# Altium PCB BusinessCard.PcbDoc (continued)
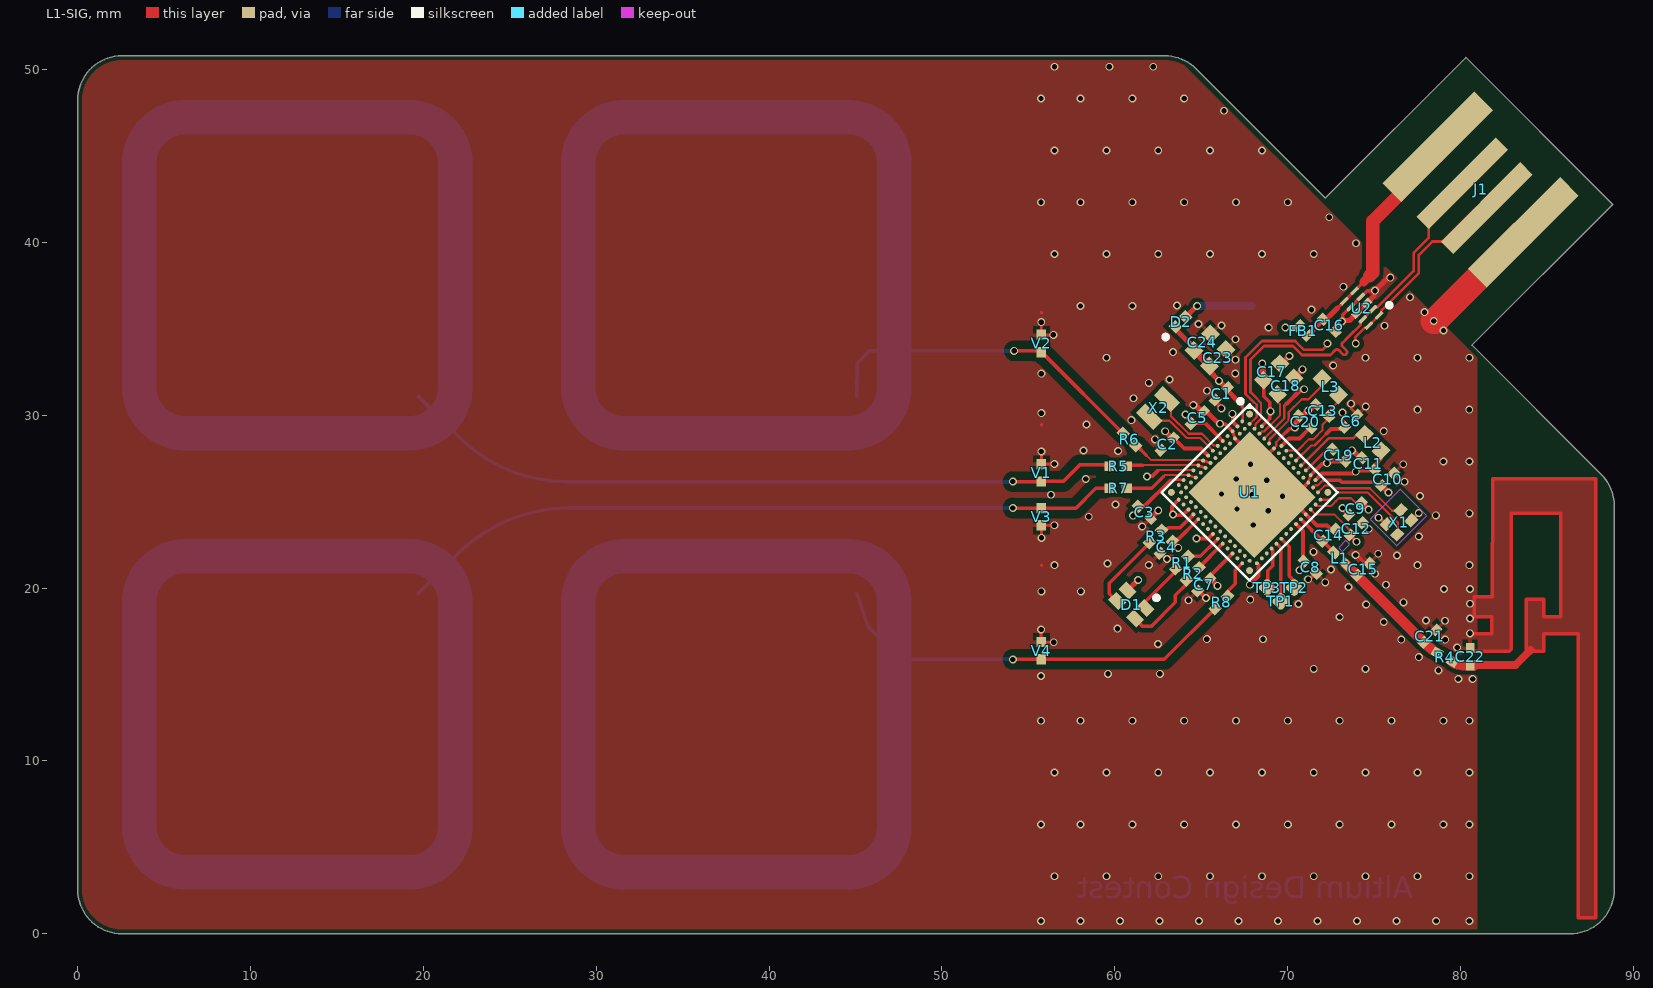
[diagram p0: L1-SIG view]
## Part data
A1 A2 A3 A4 TP1 TP2 TP3: library part TESTPAD, "1.0mm circular SMD testpad", Manufacturer="Nordic Semiconductor", Part Number=TP_SMD_Ø1.0MM, Part number IPS=N.A., Artikkelnr Noca=N.A., ComponentLink1Description=Datasheet, ComponentLink2Description="Supplier link", Footprint Doc=TP_SMD_Ø1.0mm, LatestRevisionDate=2013-06-11, Pin Count=1, Published=2013-06-11, Publisher="Nordic Semiconductor"
BT1: "SMT Holder for 2012 Cell-Tin Nickel Plate", Package="NON STANDARD-2 Keystone", Check_prices=https://www.snapeda.com/parts/3028/Keystone/view-part/?ref=eda, MF="Keystone Electronics", MP=3028, SnapEDA_Link=https://www.snapeda.com/parts/3028/Keystone/view-part/?ref=snap
C1 C2 C3 C4 C5 C6 C7 C8 C9 C10 C11 C12 C13 C14 C15 C16 C19 C20 C21 C22: library part CAP_0402, "Capacitor, X5R, ±5%", Part Number=C0402-1µ0, Footprint Doc=0402, LatestRevisionDate=2016-08-22, Pin Count=2, Published=2009-05-08, Publisher="Nordic Semiconductor"
C17 C18 C23 C24: library part CAP_0603, "Capacitor, X7R, ±10%", Part Number=C0603-4µ7-6.3V-X7R, Footprint Doc=0603, LatestRevisionDate=2015-06-10, Pin Count=2, Published=2015-06-10, Publisher="Nordic Semiconductor"
D1: library part CMP-2000-05201-2, "LED RGB DIFFUSED CHIP SMD", Case Code (Imperial)=0606, Case Code (Metric)=1616, Color=Blue, Forward Current=20mA, Forward Voltage=3.35V, Lens Color=White, Max Operating Temperature=80°C, Min Operating Temperature=-20°C, Package Quantity=3000, Reverse Voltage=5V, Case/Package=0606, Depth=1.6mm, Dominant Wavelength=470nm, Height=0.35mm, Lead Free="Lead Free", Length=1.6mm, Lens Style=Diffused, Lens Transparency=Diffused, Luminous Intensity=180mcd, Mount="Surface Mount", Number of Elements=3, Number of LEDs=3, Number of Pins=4, Packaging="Tape and Reel", Radiation Hardening=No, Test Current=20mA, Viewing Angle=130°, Width=1.6mm
D2: library part CMP-00647-58683154-1, "CFSH05-20L TR PBFREE Rectifier Diode, Schottky, 1 Phase, 1 Element, 0.1A, 30V V(RRM)", NexarPartId=58683154, RoHS=Non-Compliant, Schedule B="8541100070, 8541100070"
FB1: library part CMP-0686-00133-3, "Chip Ferrite Bead, 0402, 120Ω @ 100MHz, 0.055Ω, 25%, 2A", Case Code (Imperial)=0402, Case Code (Metric)=1005, Current Rating=2A, DC Resistance (DCR)=55mR, Max Operating Temperature=125°C, Min Operating Temperature=-55°C, Package Quantity=10000, Test Frequency=100MHz, Tolerance=25%, Case/Package=0402, Height=0.5mm, Impedance=120R, Lead Free="Lead Free", Length=1mm, Material=Steel, Max Current Rating=2A, Max DC Current=2A, Number of Circuits=1, Number of Lines=1, Number of Pins=2, Packaging="Tape and Reel", REACH SVHC="No SVHC", RoHS Compliant=Yes, Series="EMIFIL®, BLM15P", Termination=SMD/SMT, Weight=2.3E-05oz, Width=0.5mm
J1: library part USB-A-PCB, "USB-A PCB footprint", Manufacturer=N.A., Artikkelnr Noca=N.A., Author=rsk, Component Class=Connectors, ComponentLink1Description=Datasheet, ComponentLink1URL=N.A., ComponentLink2Description="Supplier link", ComponentLink2URL=N.A., Footprint Doc=USB-A-PCB, HelpURL=N.A., LatestRevisionDate=2014-06-04, Manufacturer Part Number=N.A., Note=N.A., Pad Count=4, Part Number=USB-A-PCB, Part number IPS=N.A., Part number Norautron=N.A., PartId=100500219, Published=2014-06-04, Supplier 1=N.A., Supplier 2=N.A., Supplier Part Number 1=N.A., Supplier Part Number 2=N.A.
L1: library part IND_0402, "High frequency chip inductor ±10%", Part Number=L0402-2n2, Footprint Doc=0402, LatestRevisionDate=2012-09-19, Pin Count=2, Published=2010-07-12, Publisher="Nordic Semiconductor"
L2 L3: library part IND_0603, "Chip inductor, IDC,min = 50 mA, ±20%", Part Number=L0603-10µ-TDK, Footprint Doc=0603, LatestRevisionDate=2012-09-19, Pin Count=2, Published=2019-05-06, Publisher="Nordic Semiconductor"
R1: library part RES, "Resistor, ±1%, 0.063W", Part Number=R0402-56, Part number IPS=00000002811, Supplier Part Number 1=173-8837, Artikkelnr Noca=27049049, ComponentLink1Description=Datasheet, ComponentLink2Description="Supplier link", Footprint Doc=0402, LatestRevisionDate=2009-11-23, Note="Chip Res 1%", Pin Count=2, Published=2009-05-08, Publisher="Nordic Semiconductor", Supplier 1=Farnell
R2 R3: library part RES, "Resistor, ±1%, 0.063W", Part Number=R0402-22, Part number IPS=00000002811, Supplier Part Number 1=173-8837, Artikkelnr Noca=27049049, ComponentLink1Description=Datasheet, ComponentLink2Description="Supplier link", Footprint Doc=0402, LatestRevisionDate=2009-11-23, Note="Chip Res 1%", Pin Count=2, Published=2009-05-08, Publisher="Nordic Semiconductor", Supplier 1=Farnell
R4: library part RES, "Resistor, ±1%, 0.063W", Part Number=R0402-100, Part number IPS=00000002811, Supplier Part Number 1=173-8837, Artikkelnr Noca=27049049, ComponentLink1Description=Datasheet, ComponentLink2Description="Supplier link", Footprint Doc=0402, LatestRevisionDate=2009-11-23, Note="Chip Res 1%", Pin Count=2, Published=2009-05-08, Publisher="Nordic Semiconductor", Supplier 1=Farnell
R5 R6 R7 R8: library part RES, "Resistor, ±1%, 0.063W", Part Number=R0402-470, Part number IPS=00000002811, Supplier Part Number 1=173-8837, Artikkelnr Noca=27049049, ComponentLink1Description=Datasheet, ComponentLink2Description="Supplier link", Footprint Doc=0402, LatestRevisionDate=2009-11-23, Note="Chip Res 1%", Pin Count=2, Published=2009-05-08, Publisher="Nordic Semiconductor", Supplier 1=Farnell
U1: "Multi-protocol Bluetooth Low Energy, IEEE 802.15.4, ANT and 2.4GHz proprietary system-on-chip", Component Class=nRF_Devices, Footprint Doc=AQFN-98, Pad Count=98
U2: library part CMP-04985-000004-1, "TVS DIODE 5.5V 14V 10USON", Ambient Temperature Range High=+125°C, Ambient Temperature Range Low=-40°C, Breakdown Voltage=6.4V, Capacitance=0.5pF, Clamping Voltage=14V, Manufacturer="Texas Instruments", Manufacturer Part Number=TPD4E05U06QDQARQ1, Operating Supply Voltage=5.5V, Package=DQA0010A, Peak Pulse Current=2.5A, Peak Pulse Power=2.5W, Temperature="-40°C to +125°C", Automotive=Yes, Automotive Grade="Grade 1", Category=IC, ComponentLink2Description=Datasheet, ComponentLink2URL=http://www.ti.com/lit/ds/symlink/tpd4e05u06-q1.pdf, Device Class L1="Circuit Protection", Device Class L2="ESD and Circuit Protection ICs", Device Class L3=unset, Digikey Description="TVS DIODE 5.5V 14V 10USON", Direction=Unidirectional, Height=0.55mm, Interface=USB,Ethernet,LVDS,Other, Lead Free=Yes, Mouser Description="Automotive 4-Channel ESD Protection Solution for SuperSpeed (up to 5 Gbps) Interface 10-USON -40 to 125", Number Of Channels=4, Octopart=https://octopart.com/tpd4e05u06qdqarq1-texas+instruments-48523459, Reverse Standoff Voltage=5.5V, RoHS=TRUE, Standoff Height=0mm, Temperature Range High=+125°C, Temperature Range Low=-40°C
V1 V2 V3 V4: library part D:SUPP, "TVS DIODE 15VWM 0402", Manufacturer=Murata, Part number IPS=N.A., Supplier Part Number 1=490-13209-6-ND, Artikkelnr Noca=N.A., ComponentLink1Description=Datasheet, ComponentLink2Description="Supplier link", Footprint Doc=0402, HelpURL=http://www.murata.com/en-us/products/productdata/8796832759838/CRESD-E.pdf, LatestRevisionDate=2017-09-20, Manufacturer Part Number=LXES15AAA1-133, Part Number=LXES15AAA1-133, Pin Count=2, Published=2017-09-20, Publisher="Nordic Semiconductor", Supplier 1=Digi-Key, Supplier 2=Mouser, Supplier Part Number 2=81-LXES15AAA1-133
X1: library part XTAL_SMD1612, "XTAL SMD 1612, 32MHz, Cl=8pF, Total Tol: ±40ppm", Part Number=XTAL_SMD1612_32MHz_8pF_General, Footprint Doc=XTAL_1612, LatestRevisionDate=2016-08-19, Pin Count=4, Published=2016-08-19, Publisher="Nordic Semiconductor"
X2: library part XTAL_SMD2012_32.768kHz_9pF_Seiko, "XTAL SMD 2012, 32.768kHz, 9pF, ±20ppm", Manufacturer="Seiko Instruments", Manufacturer Part Number=SC20S-9.0PF20PPM, Part number IPS=80000001425, Part number Norautron=N.A., Artikkelnr Noca=N.A., Author=rsk, Component Class=Oscillators, ComponentLink1Description=Datasheet, ComponentLink1URL=N.A., ComponentLink2Description="Supplier link", ComponentLink2URL=N.A., Footprint Doc=XTAL_2012, HelpURL=http://www.sii.co.jp/en/quartz/files/2013/03/file_PRODUCT_MASTER_50811_GRAPHIC03.pdf, LatestRevisionDate=2017-11-09, Note="XTAL SMD 32.768kHz", Pad Count=2, Part Number=XTAL_SMD2012_32.768kHz_9pF_Seiko, PartId=101600015, Published=2015-10-15, Supplier 1=N.A., Supplier 2=N.A., Supplier Part Number 1=N.A., Supplier Part Number 2=N.A.

## Free pads (board coordinates)
  round 0.013 smd: 1(83.205,15.557) 1(83.205,15.557)

## Via types
v1: diameter 0.457, hole 0.305, L1-SIG to L4-GND, tented both sides, 240 vias

## Nets (pads, with @x,y where several pads share a name; then routed paths per layer and width w, separated by ;. In a path a pad name is that pad's centre, name@x,y a point inside that pad or via, vN(x,y) a via of type N, cw(c..) or ccw(c..) an arc to the next point about the centre after c; other vN are vias at no path point)
+3V3: C1.2 C2.2 C3.2 C4.2 C5.2 C6.2 C7.2 C8.2 C9.2 C10.2 C23.2 C24.2 D1.4 D2.1 U1.A19 U1.AC1 U1.AG1 U1.AJ31 U1.AL3 U1.AL7 U1.AL11 U1.AL17 U1.AL25 U1.B8 U1.B28 U1.C1 U1.E31 U1.L1 U1.N31 U1.U1 | length 50.3
  L1-SIG w0.125: D1.4 D1.4@60.757,19.863 ; 62.486,26.768 62.55,26.831 64.392,26.831 ; 63.221,26.213 63.273,26.266 63.827,26.266 ; v1@63.321,24.309 v1(63.373,24.257) v1@63.415,24.215 ; C4.2@63.346,22.642 63.346,22.706 C4.2@63.554,22.706 ; C2.2@63.4,28.59 C2.2@63.501,28.59 ; D2.1@63.523,34.979 D2.1 ; 63.827,26.265 63.969,26.265 U1.AG1 ; 64.393,26.831 64.534,26.831 U1.AC1 ; C5.2 C5.2@64.45,29.53 ; C24.2 C24.2@64.582,33.919 ; C23.2@65.48,32.554 C23.2 ; C7.2@65.632,20.42 65.638,20.426 C7.2@65.649,20.426 ; v1@66.04,31.965 v1@66.068,31.965 ; C1.2@66.438,31.596 C1.2 ; U1.C1 67.398,29.662 67.398,29.732 67.406,29.74 67.406,30.453 67.379,30.48 ; U1.B8 69.813,29.814 69.813,30.554 69.867,30.608 ; U1.A19 71.363,28.252 71.561,28.252 72.205,28.897 ; C8.2@70.954,21.406 C8.2 ; U1.B28 71.508,25.824 71.632,25.949 71.765,25.949 72.045,26.229 72.097,26.229 ; U1.E31 71.649,24.834 71.729,24.754 72.476,24.754 72.528,24.754 72.601,24.827 72.79,25.018 cw(c73.177,24.634) 72.794,25.021 72.97,25.197 73.681,25.197 73.97,24.908 74.235,24.908 C9.2
  L1-SIG w0.15: C6.2@73.168,29.312 73.306,29.451 C6.2@73.321,29.465
  L1-SIG w0.2: 62.469,26.768 62.486,26.768 ; 67.151,30.806 67.379,30.578 67.379,30.48 ; 72.097,26.229 73.037,26.229 73.142,26.123
  L1-SIG w0.225: C3.2@61.343,24.712 C3.2@61.353,24.702 ; C3.2@61.353,24.548 C3.2@61.353,24.702 ; v1(61.865,26.456) 61.894,26.485 62.186,26.485 62.469,26.768 ; 63.221,26.213 63.195,26.213 61.729,24.747 61.644,24.747 61.594,24.696 61.359,24.696 C3.2@61.353,24.702 ; v1@63.321,24.309 63.321,24.736 U1.AL3 ; v1@63.415,24.215 63.932,24.215 U1.AL7 ; C2.2@63.501,28.59 64.024,28.067 64.995,28.067 U1.U1 ; C4.2@63.554,22.706 U1.AL11 ; C5.2@64.466,29.546 65.214,29.546 U1.L1 ; v1(64.73,22.869) 65.414,22.869 U1.AL17 ; C7.2 65.505,20.697 U1.AL25 ; v1(67.818,20.193) 68.318,20.693 68.318,21.35 U1.AJ31 ; 69.867,30.608 69.867,30.611 ; 69.895,30.639 69.944,30.688 ; U1.N31 70.896,23.297 70.896,21.82 70.954,21.763 C8.2 ; v1(70.693,21.036) v1@70.693,21.099 ; C8.2@70.954,21.406 70.961,21.398 C8.2@70.961,21.366 ; 72.264,28.956 72.524,29.216 73.114,29.216 C6.2 73.306,29.451 73.306,29.548 73.181,29.673 v1(73.181,30.151) ; 73.142,26.123 74.992,26.123 75.213,25.903 75.407,25.903 C10.2
  L1-SIG w0.25: 69.974,30.688 70.764,31.478 v1@70.932,31.478
  L1-SIG w0.3: D1.4@60.757,19.863 60.757,19.87 v1(61.357,20.469) v1(61.357,20.469) ; v1(61.055,24.194) 61.055,24.237 61.353,24.535 C3.2@61.353,24.548 ; v1(62.916,29.074) C2.2@63.4,28.59 ; C4.2@63.346,22.642 63.359,22.642 v1(63.67,22.33) ; D2.1@63.523,34.979 C24.2@64.582,33.919 ; v1(64.097,30.05) 64.097,30.008 64.466,29.639 C5.2@64.466,29.546 ; C23.2@65.48,32.554 v1(66.04,31.994) ; C7.2@65.649,20.426 v1(65.946,20.13) ; v1@66.068,31.965 C1.2@66.438,31.596 ; C1.2 66.512,31.587 66.512,31.446 67.151,30.806 ; v1@70.693,21.099 C8.2@70.961,21.366 ; v1@70.932,31.478 v1(70.962,31.508) ; C9.2@74.361,24.865 v1(74.688,24.537) ; C10.2 v1(75.844,25.531)
  L1-SIG w0.4: C24.2 C23.2
  L4-GND w0.15: v1@66.035,31.994 v1(66.04,31.994) ; v1(74.688,24.537) v1@74.77,24.537 ; v1@75.763,25.531 v1(75.844,25.531)
+5VUSB: C17.2 FB1.2 U1.A5 U1.E1 | length 10.7
  L1-SIG w0.15: v1(68.535,33.003) v1@68.593,32.945 ; C17.2@68.616,31.58 68.628,31.593 68.616,31.606 C17.2@68.616,32.03 ; FB1.2@70.513,35.075 FB1.2
  L1-SIG w0.2: U1.A5@68.511,29.371 68.514,29.368 68.519,29.368 68.962,29.811 68.962,30.177 v1(69.011,30.226) ; C17.2@68.616,31.58 68.616,31.105 68.966,30.755 68.966,30.231 v1@68.962,30.227
  L1-SIG w0.225: v1(66.805,30.082) 66.849,30.038 66.849,29.607 U1.E1
  L1-SIG w0.3: v1(69.871,35.075) FB1.2@70.513,35.075
  L1-SIG w0.4: v1@68.548,32.99 68.546,32.987 68.546,32.977 68.548,32.974 68.548,32.345 68.611,32.282 C17.2
  L3-SIG w0.25: v1(66.805,30.082) 66.843,30.121 68.85,30.121 68.955,30.226 v1(69.011,30.226)
  L3-SIG w0.4: v1(68.535,33.003) 68.535,33.738 v1(69.871,35.075)
  L4-GND w0.15: v1(68.535,33.003) v1@68.578,33.003
ANT2G4: C22.2 R4.2 | length 3.8
  L1-SIG w0.457: C22.2@80.563,15.53 C22.2 ; C22.2@80.684,15.557 83.205,15.557
  L1-SIG w0.592: R4.2@79.535,15.736 ccw(c80.173,16.647) 80.173,15.535 C22.2@80.808,15.535
GND: BT1.N C1.1 C2.1 C3.1 C4.1 C5.1 C6.1 C7.1 C8.1 C9.1 C10.1 C11.2 C12.1 C13.1 C14.1 C15.1 C16.2 C17.1 C18.1 C19.1 C20.1 C21.1 C22.1 C23.1 C24.1 J1.4 U1.104 U1.A25 U1.B12 U1.B26 U1.G1 U1.H2 U1.J31 U2.3 U2.4 U2.7 U2.8 V1.1 V2.1 V3.1 V4.1 X1.2 X1.4 | length 147.7
  L1-SIG w0.125: U1.104@68.961,27.831 68.685,27.17 U1.104 68.814,25.531 U1.104@70.941,25.851 ; U1.B12 69.218,28.114 69.342,28.238 69.342,28.448 69.583,28.689 ; C17.1 C17.1@69.667,32.989 ; v1@70.358,29.234 v1(70.421,29.298) ; v1(71.197,30.282) 71.286,30.282 v1@71.286,30.309 ; C13.1@71.503,30.526 71.663,30.526 C13.1@71.709,30.48 ; v1@72.245,27.186 v1(72.288,27.229) v1@72.378,27.229 ; C19.1@73.31,27.498 73.31,27.35 C19.1 ; C9.1@73.433,24.157 73.436,24.16 C9.1@73.436,24.375 ; v1(73.67,30.668) 73.668,30.45 73.668,30.398 C6.1@74.043,30.022 ; C10.1 76.271,26.643 v1(76.761,26.153)
  L1-SIG w0.165: v1(55.743,17.608) 55.743,16.893 V4.1 ; V2.1@55.746,34.695 v1(55.746,35.388) ; 55.746,35.965 55.786,35.925 ; V1.1 v1(55.752,27.898) ; 55.753,21.328 55.767,21.314 ; V1.1 55.767,27.184 v1(56.507,27.184) ; 55.753,29.472 55.753,29.447 55.779,29.473 ; v1(55.761,22.909) 55.761,23.622 V3.1 55.763,23.64 v1(56.507,23.64) ; V4.1@55.767,16.869 v1(56.47,16.869) ; V2.1@55.786,34.655 v1(56.448,34.655) ; v1(62.326,28.606) 62.382,28.55 62.382,28.441 62.679,28.144 C2.1 ; C4.1 C4.1@62.695,22.014 ; C7.1 C7.1@64.87,19.839 ; U1.G1 U1.H2 ; U1.B26 U1.A25
  L1-SIG w0.2: U1.104@67.521,28.087 U1.104@67.804,28.087 ; U1.104 U1.104@69.925,25.4 ; 69.583,28.689 70.128,29.234 v1@70.358,29.234 ; v1(71.192,20.515) 71.253,20.515 71.599,20.861 C8.1 ; C16.2@72.744,34.952 C16.2@72.744,34.988 ; v1@73.152,35.397 v1(73.152,35.433) 73.201,35.482 73.201,35.808 U2.7 U2.4 74.604,37.211 v1(75.057,37.211) 75.008,37.162 75.008,36.908 ; v1(73.939,21.92) 74.009,21.92 74.504,21.425 74.716,21.425 C15.1@74.729,21.438 ; C12.1 C12.1@74.326,23.784 ; C15.1 C15.1@74.729,21.438 ; v1(75.057,20.828) 75.057,20.898 74.729,21.226 C15.1@74.729,21.438
  L1-SIG w0.203: C22.1@80.484,16.496 80.633,16.347 82.826,16.347 82.945,16.466 82.945,24.345 85.811,24.345 85.811,18.345 84.811,18.345 84.811,19.345 83.811,19.345 83.811,16.345 83.993,16.345 84.811,16.345 84.811,17.345 86.811,17.345 86.811,0.927 87.821,0.927 87.821,26.327 81.878,26.327 81.878,25.794 81.852,19.494 80.811,19.494 80.811,18.345 81.811,18.345 81.811,17.345 80.811,17.345
  L1-SIG w0.225: C3.1@62.011,24.139 62.043,24.107 C3.1@62.143,24.107 ; v1@62.519,24.483 v1(62.519,24.491) ; C4.1@62.695,22.014 v1(63.025,21.684) ; v1(66.089,29.511) 66.12,29.481 66.41,29.481 U1.G1 ; U1.H2 U1.104@67.521,28.087 ; U1.104@68.961,27.831 U1.B12 ; U1.104@69.925,25.4 U1.J31 71.703,23.622 72.284,23.622 72.518,23.388 72.689,23.388 C14.1@72.769,23.468 ; U1.104@70.941,25.851 U1.B26 ; U1.A25 71.993,27.186 v1@72.245,27.186 ; v1(75.261,24.073) 75.316,24.073 75.686,23.702 X1.4 ; X1.2 v1(77.592,24.35)
  L1-SIG w0.25: C7.1@64.87,19.839 v1(65.278,19.431) ; C1.1 65.813,30.795 66.168,30.44 v1(66.168,30.4)
  L1-SIG w0.254: J1.4@83.646,40.466 J1.4
  L1-SIG w0.3: C3.1@62.143,24.107 v1@62.519,24.483 ; v1(64.549,30.602) 64.579,30.572 64.674,30.572 65.028,30.217 C5.1 ; C5.1@65.156,30.236 65.297,30.236 65.992,29.542 66.059,29.542 v1(66.089,29.511) ; C17.1@69.667,32.989 v1(70.103,33.425) ; C18.1 v1(70.866,32.66) ; v1(70.421,29.298) 70.452,29.328 70.452,29.553 70.693,29.794 70.693,29.935 C20.1@70.679,29.949 ; C20.1 C20.1@70.679,29.949 ; v1(71.197,30.282) 71.154,30.282 70.82,29.949 C20.1@70.679,29.949 ; v1@71.286,30.309 C13.1@71.503,30.526 ; v1@72.378,27.229 72.517,27.368 C19.1@73.292,27.368 ; C16.2@72.744,34.988 v1@73.152,35.397 ; v1(73.177,24.634) C9.1@73.436,24.375 ; v1@73.201,35.482 73.582,35.482 U2.8 U2.3 75.008,36.908 ; C19.1@73.31,27.498 73.31,27.518 73.721,27.928 v1(73.721,27.971) 73.763,27.971 74.21,27.524 C11.2@74.218,27.524 ; C12.1@74.326,23.784 v1(74.692,23.419) ; v1@75.086,37.211 75.086,37.24 75.78,37.934 75.91,37.934 v1(75.94,37.964)
  L1-SIG w0.457: 83.205,15.557 83.993,16.345 84.059,16.411
  L1-SIG w1.524: v1(78.461,35.458) 78.515,35.458 J1.4@83.585,40.527
  other v1: 55.728,0.737 58.015,0.737 60.302,0.737 62.589,0.737 64.876,0.737 67.163,0.737 69.45,0.737 71.737,0.737 74.024,0.737 76.311,0.737 78.598,0.737 80.517,0.737 56.517,3.327 59.517,3.327 62.517,3.327 65.517,3.327 68.517,3.327 71.517,3.327 74.517,3.327 77.517,3.327 80.517,3.327 55.73,6.327 58.017,6.327 61.017,6.327 64.017,6.327 67.017,6.327 70.017,6.327 73.017,6.327 76.017,6.327 79.017,6.327 80.517,6.327 56.517,9.327 59.517,9.327 62.517,9.327 65.517,9.327 68.517,9.327 71.517,9.327 74.517,9.327 77.517,9.327 80.517,9.327 55.73,12.327 58.017,12.327 61.017,12.327 64.017,12.327 67.017,12.327 70.017,12.327 73.017,12.327 76.017,12.327 79.017,12.327 80.517,12.327 79.883,14.744 80.711,14.744 55.737,14.913 59.614,15.037 62.611,15.037 78.74,15.24 71.517,15.327 74.517,15.327 77.597,16.002 79.813,16.56 62.509,16.764 76.581,17.018 79.121,17.018 65.329,17.043 68.58,17.043 80.555,17.381 60.158,17.652 75.565,18.034 79.114,18.112 78.013,18.128 80.554,18.237 73.017,18.327 74.549,19.05 70.632,19.075 80.553,19.093 76.708,19.177 64.264,19.298 67.843,19.329 55.753,19.812 58.039,19.812 79.052,19.95 80.552,19.95 73.533,20.066 75.692,20.193 72.18,20.335 72.517,21.082 56.517,21.327 61.976,21.336 77.517,21.327 80.517,21.327 59.583,21.424 76.333,21.882 75.247,21.987 71.501,22.098 77.597,22.987 61.586,23.568 68.011,23.651 58.496,24.13 78.581,24.209 80.517,24.327 68.886,24.474 67.081,24.571 60.046,24.841 69.704,25.317 77.67,25.328 56.312,25.4 67.945,25.409 66.176,25.445 68.799,26.243 58.324,26.314 67.03,26.319 67.858,27.168 76.696,27.169 79.017,27.327 80.517,27.327 60.198,27.94 58.191,27.965 75.565,29.083 58.369,29.464 60.96,29.718 55.753,30.124 77.517,30.327 80.517,30.327 74.524,30.505 61.087,30.988 65.34,31.419 61.976,31.877 63.171,32.074 55.753,32.41 66.975,32.42 72.638,32.886 66.992,33.211 59.517,33.327 74.517,33.327 77.517,33.327 80.517,33.327 63.373,33.655 66.986,34.4 79.019,34.9 68.907,35.084 75.611,35.179 66.184,35.192 64.85,35.283 77.927,35.966 71.392,36.113 58.017,36.327 61.017,36.327 63.602,36.347 77.089,36.83 73.228,37.44 56.517,39.327 59.517,39.327 62.517,39.327 65.517,39.327 68.517,39.327 71.517,39.327 73.965,39.954 72.413,41.458 55.73,42.327 58.017,42.327 61.017,42.327 64.017,42.327 67.017,42.327 70.017,42.327 56.517,45.327 59.517,45.327 62.517,45.327 65.517,45.327 68.517,45.327 66.32,47.622 55.73,48.327 58.017,48.327 61.017,48.327 64.017,48.327 56.515,50.165 59.69,50.165 62.23,50.165
NetA1_1: A1.1 R5.2 V1.2 | length 110.5
  L1-SIG w0.2: v1(54.102,26.162) 55.745,26.162 V1.2 57.031,26.17 57.988,27.127 59.368,27.127 R5.2@59.444,27.051
  L4-GND w0.2: A1.1 21.065,29.735 22.045,28.755 22.047,28.753 ccw(c28.303,35.01) 28.303,26.162 ; 28.304,26.162 v1(54.102,26.162)
  L4-GND w2: 3.556,31.75 ccw(c6.223,31.623) 6.096,28.956 19.05,28.956 ccw(c19.177,31.623) 21.065,29.735 ccw(c19.177,31.623) 21.844,31.496 21.844,44.45 ccw(c19.177,44.577) 19.304,47.244 6.35,47.244 ccw(c6.223,44.577) 3.556,44.704 3.556,31.75
NetA2_1: A2.1 R6.2 V2.2 | length 88.2
  L1-SIG w0.203: v1(54.178,33.731) 55.685,33.731 V2.2 ; V2.2@55.768,33.655 55.768,33.623 55.934,33.457 55.967,33.457 60.462,28.962 R6.2
  L4-GND w0.203: A2.1 45.11,33.018 45.72,33.612 45.839,33.731 47.244,33.731 v1(54.178,33.731)
  L4-GND w2: 28.956,31.75 ccw(c31.623,31.623) 31.496,28.956 44.45,28.956 ccw(c44.577,31.623) 47.244,31.496 47.244,33.731 47.244,44.45 ccw(c44.577,44.577) 44.704,47.244 31.75,47.244 ccw(c31.623,44.577) 28.956,44.704 28.956,31.75
NetA3_1: A3.1 R7.2 V3.2 | length 110.5
  L1-SIG w0.2: v1(54.102,24.638) 54.112,24.628 55.753,24.628 57.758,24.628 58.911,25.781 R7.2@59.436,25.781
  L4-GND w0.2: A3.1 21.932,21.932 cw(c28.464,15.401) 28.464,24.638 ; 28.465,24.638 v1(54.102,24.638)
  L4-GND w2: 3.556,6.35 ccw(c6.223,6.223) 6.096,3.556 19.05,3.556 ccw(c19.177,6.223) 21.844,6.096 21.844,19.05 ccw(c19.177,19.177) 19.304,21.844 6.35,21.844 ccw(c6.223,19.177) 3.556,19.304 3.556,6.35
NetA4_1: A4.1 R8.2 V4.2 | length 92.7
  L1-SIG w0.203: v1@54.106,15.879 V4.2@55.749,15.879 ; V4.2 V4.2@55.753,15.908 ; V4.2 62.872,15.882 R8.2
  L4-GND w0.203: A4.1 45.72,17.78 47.625,15.875 v1(54.102,15.875)
  L4-GND w2: 28.956,6.35 ccw(c31.623,6.223) 31.496,3.556 44.45,3.556 ccw(c44.577,6.223) 47.244,6.096 47.244,19.05 ccw(c44.577,19.177) 44.704,21.844 31.75,21.844 ccw(c31.623,19.177) 28.956,19.304 28.956,6.35
NetC11_1: C11.1 C12.2 L2.1 U1.A27 U1.G31 | length 13
  L1-SIG w0.125: U1.G31 71.64,24.251 72.722,24.251 C12.2@73.81,23.163 ; C12.2@73.609,23.063 C12.2 ; C11.1@74.847,26.868 C11.1@75.001,27.022
  L1-SIG w0.2: C11.1 75.033,27.111 75.39,27.467 75.39,27.928 L2.1
  L1-SIG w0.225: U1.A27 71.997,26.624 73.774,26.624 v1@73.883,26.733 ; C12.2@73.609,23.063 v1(73.99,22.682) ; v1(73.945,26.733) 74.008,26.733 74.069,26.793 74.729,26.793 74.804,26.868 74.881,26.868 74.917,26.832 C11.1
  L3-SIG w0.25: v1(73.945,26.733) 73.945,26.676 74.053,26.569 74.053,22.801 74.03,22.778 74.03,22.767 74.053,22.745 v1(73.99,22.682)
  L3-SIG w0.254: v1@73.998,22.69 74.029,22.721 74.029,22.805 v1@74.047,22.823
NetC13_2: C13.2 L3.1 U1.A15 | length 5.1
  L1-SIG w0.125: U1.A15 69.944,27.965 U1.A15@70.015,27.965 ; U1.A15@70.015,27.965 70.587,27.965 71.232,28.61 71.498,28.61 72.016,29.128 72.016,29.436 C13.2@72.448,29.868 ; C13.2@72.469,29.868 72.356,29.982 72.356,30.221 72.943,30.809 L3.1
NetC14_2: C14.2 L1.1 U1.L31 | length 2.7
  L1-SIG w0.225: U1.L31 71.945,22.814 71.945,22.716 C14.2@71.943,22.714 ; C14.2 72.614,22.139 cw(c72.501,22.025) L1.1@72.661,22.025
NetC15_2: C15.2 C21.2 L1.2 R4.1 | length 7
  L1-SIG w0.592: L1.2 C15.2@73.975,20.775 ; C15.2@74.028,20.718 C21.2 78.359,16.441
NetC18_2: C18.2 U1.B6 | length 2.5
  L1-SIG w0.125: U1.B6 68.396,28.936 68.521,29.06 68.635,29.06 69.556,29.981 69.556,30.647 C18.2@69.406,30.798
NetC19_2: C19.2 U1.A23 | length 2.1
  L1-SIG w0.15: U1.A23 71.077,26.814 71.114,26.852 71.115,26.852 72.338,28.074 72.586,28.074 C19.2
NetC20_2: C20.2 U1.A13 | length 2.1
  L1-SIG w0.225: U1.A13 70.07,28.657 70.682,28.657 71.23,29.204 C20.2
NetD1_1: D1.1 R1.1 | length 3.1
  L1-SIG w0.2: D1.1@61.702,18.909 D1.1@61.737,18.874 ; D1.1 D1.1@61.737,18.874 ; R1.1 63.528,20.983 61.737,19.192 D1.1@61.737,18.874
NetD1_2: D1.2 R2.1 | length 4.7
  L1-SIG w0.2: D1.2 61.629,17.78 62.103,17.78 63.5,19.177 63.5,19.578 64.162,20.24 R2.1
NetD1_3: D1.3 R3.1 | length 4.5
  L1-SIG w0.2: D1.3 60.113,19.262 59.69,19.685 59.69,20.291 R3.1@62.018,22.619
NetL2_2: L2.2 U1.A21 | length 4.4
  L1-SIG w0.15: U1.A21 70.788,27.111 70.842,27.111 72.407,28.677 73.804,28.677 73.948,28.821 ; 73.949,28.821 74.028,28.9 L2.2
NetL3_2: L3.2 U1.B10 | length 5.2
  L1-SIG w0.125: U1.B10 68.954,28.389 68.954,28.601 70.074,29.721 70.074,30.19 70.815,30.931 71.216,30.931 L3.2@72.004,31.719 ; L3.2 71.995,32.132 72.001,32.132 72.177,31.963 L3.2@72.259,31.963
NetU1_B30: U1.B30 X1.3 | length 5.6
  L1-SIG w0.125: U1.B30 72.151,25.929 72.593,25.929 72.745,25.777 74.696,25.777 74.698,25.775 74.757,25.775 76.052,24.48 76.519,24.48 X1.3
NetU1_C31: U1.C31 X1.1 | length 6.1
  L1-SIG w0.125: U1.C31 72.463,25.117 72.871,25.525 74.653,25.525 76.378,23.801 76.378,23.137 X1.1
NetU1_N1: U1.N1 X2.2 | length 4.6
  L1-SIG w0.125: X2.2@62.997,30.993 62.997,30.525 63.252,30.27 63.249,30.267 63.249,29.96 64.274,28.934 65.048,28.934 65.737,28.245 65.949,28.245 U1.N1
NetU1_R1: U1.R1 X2.1 | length 4.5
  L1-SIG w0.125: X2.1@61.971,29.84 62.515,29.84 62.67,29.686 63.169,29.686 64.171,28.684 64.944,28.684 U1.R1
P0.04/AIN0/ANT2: R6.1 U1.V2 U1.W1 | length 4.7
  L1-SIG w0.125: 61.82,27.69 62.107,27.403 65.023,27.403 65.027,27.399 65.097,27.399 U1.W1
  L1-SIG w0.165: U1.W1 U1.V2
  L1-SIG w0.2: R6.1@61.288,28.221 61.82,27.69
  L1-SIG w0.225: R6.1@61.187,28.221 R6.1@61.288,28.221
P0.05/AIN1/ANT1: R5.1 U1.AA1 U1.Y2 | length 4.6
  L1-SIG w0.125: 61.622,27.097 61.639,27.114 64.816,27.114 U1.AA1
  L1-SIG w0.165: U1.AA1 U1.Y2
  L1-SIG w0.2: R5.1@60.698,27.097 61.622,27.097
P0.07/AIN3/ANT3: R7.1 U1.AD2 U1.AE1 | length 4.3
  L1-SIG w0.125: 62.801,26.446 62.903,26.549 64.109,26.549 64.252,26.548 U1.AE1
  L1-SIG w0.165: U1.AE1 U1.AD2
  L1-SIG w0.2: R7.1 62.136,25.781 62.801,26.446
P0.16/LED_B: R3.2 U1.AL9 | length 2.2
  L1-SIG w0.225: R3.2@62.711,23.341 62.94,23.341 63.095,23.495 63.777,23.495 U1.AL9
P0.26/AIN5/ANT4: R8.1 U1.AL29 | length 2.3
  L1-SIG w0.125: R8.1 R8.1@66.521,19.785
  L1-SIG w0.2: R8.1@66.521,19.785 66.98,20.244 66.98,21.041 U1.AL29
P1.04/LED_R: R1.2 U1.AL19 | length 2.2
  L1-SIG w0.203: R1.2 R1.2@64.253,21.841
  L1-SIG w0.225: R1.2@64.253,21.841 64.951,21.841 U1.AL19
P1.06/LED_G: R2.2 U1.AL21 | length 2
  L1-SIG w0.225: R2.2 64.87,21.193 U1.AL21
RESET_N: TP3.1 U1.AC31 | length 2.4
  L1-SIG w0.125: TP3.1 TP3.1@68.847,20.061
  L1-SIG w0.2: TP3.1@68.847,20.061 68.847,20.993 69.155,21.301 69.155,22.204 69.076,22.282 U1.AC31
SWCLK: TP2.1 U1.W31 | length 2.8
  L1-SIG w0.2: U1.W31 70.102,22.394 70.102,20.703 TP2.1@70.46,20.345
SWDIO: TP1.1 U1.AA31 | length 3.5
  L1-SIG w0.125: TP1.1@69.726,19.551 TP1.1@69.77,19.508
  L1-SIG w0.2: U1.AA31 69.607,22.324 TP1.1
USB_D_N: J1.2 U1.B4 U2.2 U2.9 | length 23.7
  L1-SIG w0.125: U1.B4 68.086,29.245 68.14,29.299 68.14,29.466 68.466,29.792 68.466,30.714 68.336,30.844 68.252,30.928 68.252,30.949
  L1-SIG w0.154: 68.252,30.949 67.861,31.34 67.861,33.226 68.64,34.006 70.314,34.006 70.827,33.492 72.479,33.492 ; 72.481,33.494 72.75,33.763 cw(c72.859,33.654) 72.968,33.763 73.184,33.547 ccw(c73.291,33.654) 73.399,33.547 ccw(c73.291,33.654) 73.399,33.762 73.183,33.978 cw(c73.292,34.087) 73.183,34.196 73.532,34.545 74.224,35.238 74.224,35.417 U2.2 75.073,36.266 75.211,36.266 77.293,38.347 77.293,39.397 78.165,40.269 78.165,40.867 78.164,40.868 78.164,41.478 J1.2
USB_D_P: J1.3 U1.B2 U2.1 U2.10 | length 23.3
  L1-SIG w0.125: U1.B2 67.821,29.501 68.216,29.896 68.216,30.61 68.092,30.734 68.072,30.734
  L1-SIG w0.154: U1.B2@67.821,29.501 U1.B2@67.823,29.501 ; 68.072,30.734 67.564,31.242 67.564,33.349 68.517,34.303 70.437,34.303 70.95,33.789 72.025,33.789 72.304,34.068 v1(72.304,34.15) ; v1(73.944,34.15) 73.918,34.177 73.918,34.518 74.229,34.829 74.463,35.064 74.578,35.064 U2.1 75.426,35.912 75.426,36.051 77.597,38.221 77.597,39.271 78.378,40.052 78.979,40.052 80.919,41.992 J1.3
  L3-SIG w0.125: v1(72.304,34.15) v1(73.944,34.15)
VBAT: BT1.P2 D2.2 | length 4.1
  L1-SIG w0.203: D2.2 D2.2@64.115,35.693 ; v1@64.744,36.322 v1(64.77,36.322)
  L1-SIG w0.3: D2.2@64.115,35.693 v1@64.744,36.322
  L4-GND w0.203: BT1.P2@67.932,36.322 BT1.P2
  L4-GND w0.45: v1(64.77,36.322) BT1.P2@67.932,36.322
VBUS: C16.1 FB1.1 J1.1 U2.5 U2.6 | length 11.2
  L1-SIG w0.2: FB1.1 FB1.1@71.185,34.648 ; C16.1@72.036,35.5 C16.1@72.036,35.533 ; 72.898,36.212 U2.6 U2.5 74.405,37.719
  L1-SIG w0.3: FB1.1@71.185,34.648 C16.1@72.036,35.5 ; C16.1@72.036,35.533 72.054,35.515 72.195,35.515 72.892,36.212
  L1-SIG w0.508: 74.405,37.719 74.737,38.051
  L1-SIG w0.762: 74.737,38.051 74.93,38.244 74.93,41.241 76.573,42.884 J1.1@76.573,42.934 ; J1.1@78.693,45.003 J1.1
pads on no net: BT1.P1 U1. U1.A1 U1.A17 U1.A31 U1.AB2 U1.AE31 U1.AF2 U1.AG31 U1.AH2 U1.AJ1 U1.AK2 U1.AK4 U1.AK6 U1.AK8 U1.AK10 U1.AK12 U1.AK14 U1.AK16 U1.AK18 U1.AK20 U1.AK22 U1.AK24 U1.AK26 U1.AK28 U1.AK30 U1.AL1 U1.AL5 U1.AL13 U1.AL15 U1.AL23 U1.AL27 U1.AL31 U1.B14 U1.B16 U1.B18 U1.B20 U1.B22 U1.B24 U1.D2 U1.F2 U1.J1 U1.K2 U1.M2 U1.P2 U1.R31 U1.T2 U1.U31

## Polygon pours and split planes (outlines as drawn)
GND on L4-GND "GND_L04_P016" (solid, pour order 16): 55.245,0 55.245,50.8 63.5,50.8 80.97,33.33 80.97,0
NetA3_1 on L4-GND "NETA3_1_L04_P002" (solid, pour order 2): 3.81,3.81 3.81,21.59 21.59,21.59 21.59,3.81
NetA2_1 on L4-GND "NETA2_1_L04_P008" (solid, pour order 8): 29.21,29.21 29.21,46.99 46.99,46.99 46.99,29.21
NetA1_1 on L4-GND "NETA1_1_L04_P007" (solid, pour order 7): 3.81,29.21 3.81,46.99 21.59,46.99 21.59,29.21
NetA4_1 on L4-GND "NETA4_1_L04_P009" (solid, pour order 9): 29.21,3.81 29.21,21.59 46.99,21.59 46.99,3.81
no net on Bottom Solder "NONET_L01_P-001" (solid): 5.08,20.32 20.32,20.32 20.32,5.08 5.08,5.08
no net on Bottom Solder "NONET_L01_P-001" (solid): 30.48,20.32 45.72,20.32 45.72,5.08 30.48,5.08
no net on Bottom Solder "NONET_L01_P-001" (solid): 5.08,45.72 20.32,45.72 20.32,30.48 5.08,30.48
no net on Bottom Solder "NONET_L01_P-001" (solid): 30.48,45.72 45.72,45.72 45.72,30.48 30.48,30.48
GND on L1-SIG "GND_L01_P013" (solid, pour order 13): 0,0 0,50.8 63.5,50.8 80.97,33.33 80.97,0
GND on L1-SIG "GND_L01_P022" (solid, pour order 22): 75.438,38.862 76.454,37.846 75.184,36.576 74.422,37.338 74.422,37.846
GND on L1-SIG "GND_L01_P019" (solid, pour order 19): 86.811,0.927 87.821,0.927 87.821,26.327 81.878,26.327 81.852,26.302 81.852,19.494 80.811,19.494 80.811,18.345 81.811,18.345 81.811,17.345 80.811,17.345 80.967,17.091 80.967,16.251 82.945,16.345 82.945,24.345 85.811,24.345 85.811,18.345 84.811,18.345 84.811,19.345 83.811,19.345 83.811,16.345 84.811,16.345 84.811,17.345 86.811,17.345
GND on L1-SIG "GND_L01_P018" (solid, pour order 18): 77.535,21.728 80.967,21.728 80.967,16.251 79.722,16.589
GND on L3-SIG "GND_L03_P021" (solid, pour order 21): 55.245,0 55.245,50.8 63.5,50.8 80.97,33.33 80.97,0
+3V3 on L3-SIG "+3V3_L03_P015" (solid, pour order 15): 60.706,20.574 61.341,19.939 70.358,19.939 76.2,25.781 76.2,27.665 72.009,31.75 67.042,31.75 66.421,32.371 64.262,32.371 60.706,28.906
GND on L2-GND "GND_L02_P017" (solid, pour order 17): 55.245,0 55.245,50.8 63.5,50.8 80.97,33.33 80.97,0

## Keep-outs
L1-SIG:
  region: 76.518,25.718 74.79,23.99 76.324,22.456 78.051,24.184
  region: 73.381,22.758 72.952,22.329 73.168,22.113 73.597,22.542
L2-GND:
  region: 72.827,24.059 73.786,23.101 73.102,22.417 78.735,16.891 79.979,16.186 81.001,16.186 81.013,15.109 79.559,15.109 77.768,16.186 71.361,22.593
L3-SIG:
  region: 72.827,24.059 73.666,23.22 73.666,22.981 73.102,22.417 78.735,16.891 79.979,16.186 81.001,16.186 81.013,15.109 79.559,15.109 77.768,16.186 71.361,22.593

## Other copper
L1-SIG:
  pour cut-out: 61.767,31.036 61.903,31.172 62.036,31.172 63.249,29.96 62.975,29.686 62.897,29.686 61.722,30.861 61.767,30.906
L4-GND:
  text "Altium Design Contest" at 77.284,1.606 h2.16

## Silkscreen, mask and mechanical layers (free items; w line width, h text height)
Bottom Overlay:
  circle w0.25: c64.643,14.275 r0.125
Top Solder:
  drawing of 15 lines, arcs and shapes, not listed
  text "Matthijs Bakker" at 4.826,23.619 h4.5
  text "Embedded Engineer" at 4.829,18.491 h4
  text "matthijs-p-bakker" at 10.541,8.55 h2.5
Bottom Solder:
  region: 6 vertices and 2 holes, not listed, extent 35.56,35.559 40.64,40.639
  pour cut-out: 35.56,35.56 40.641,35.56 40.64,35.561 40.64,40.64 35.56,40.64
  region: 16.508,16.508 16.507,8.889 8.888,8.89 8.888,14.407 8.888,14.41 8.889,16.509 hole: 14.241,13.296 14.207,13.292 12.342,13.295 12.335,13.292 10.257,13.293 10.237,13.291 10.229,13.287 10.222,13.281 10.215,13.264 10.208,13.236 10.203,13.219 10.2,13.209 10.195,13.167 10.193,13.149 10.189,13.126 10.184,13.106 10.179,13.081 10.174,13.051 10.172,13.032 10.169,13.009 10.167,12.984 10.164,12.94 10.162,12.915 10.157,12.875 10.153,12.842 10.151,12.758 10.153,12.542 10.156,12.534 10.164,12.446 10.167,12.412 10.172,12.362 10.174,12.342 10.182,12.297 10.187,12.278 10.19,12.264 10.193,12.247 10.196,12.213 10.201,12.181 10.209,12.151 10.213,12.137 10.221,12.096 10.224,12.084 10.231,12.064 10.237,12.048 10.241,12.032 10.244,12.022 10.252,12.008 10.266,12.002 10.276,12 10.308,11.997 10.675,11.997 12.01,11.995 12.017,11.992 12.047,11.985 13.317,11.987 13.324,11.99 13.344,11.995 13.436,11.997 15.128,12 15.145,12.01 15.151,12.016 15.155,12.03 15.16,12.049 15.166,12.063 15.174,12.088 15.176,12.098 15.185,12.139 15.195,12.178 15.2,12.208 15.202,12.228 15.205,12.25 15.207,12.265 15.214,12.295 15.217,12.307 15.219,12.322 15.226,12.373 15.231,12.423 15.233,12.455 15.236,12.472 15.242,12.528 15.245,12.601 15.248,12.745 15.245,12.753 15.243,12.867 15.24,12.874 15.237,12.915 15.234,12.937 15.232,12.967 15.229,12.992 15.227,13.019 15.221,13.075 15.218,13.085 15.214,13.104 15.207,13.133 15.205,13.148 15.2,13.188 15.195,13.218 15.191,13.231 15.188,13.241 15.175,13.28 15.165,13.29 15.155,13.292 15.138,13.295
  pour cut-out: 10.16,10.16 15.241,10.16 15.24,10.161 15.24,15.24 10.16,15.24
  pour cut-out: 35.56,10.16 40.641,10.16 40.64,10.161 40.64,15.24 35.56,15.24
  region: 6 vertices and 2 holes, not listed, extent 35.56,10.159 40.64,15.239
  pour cut-out: 10.16,35.56 15.241,35.56 15.24,35.561 15.24,40.64 10.16,40.64
  region: 7 vertices and 1 holes, not listed, extent 8.891,34.289 16.511,41.909
  lines w1: 5.08,6.08 ccw(c6.08,6.08) 6.08,5.08 19.327,5.08 ccw(c19.327,6.08) 20.327,6.08 20.327,19.327 ccw(c19.327,19.327) 19.327,20.327 6.08,20.327 ccw(c6.08,19.327) 5.08,19.327 5.08,6.08 ; 5.08,31.48 ccw(c6.08,31.48) 6.08,30.48 19.327,30.48 ccw(c19.327,31.48) 20.327,31.48 20.327,44.727 ccw(c19.327,44.727) 19.327,45.727 6.08,45.727 ccw(c6.08,44.727) 5.08,44.727 5.08,31.48 ; 30.48,6.08 ccw(c31.48,6.08) 31.48,5.08 44.727,5.08 ccw(c44.727,6.08) 45.727,6.08 45.727,19.327 ccw(c44.727,19.327) 44.727,20.327 31.48,20.327 ccw(c31.48,19.327) 30.48,19.327 30.48,6.08 ; 30.48,31.48 ccw(c31.48,31.48) 31.48,30.48 44.727,30.48 ccw(c44.727,31.48) 45.727,31.48 45.727,44.727 ccw(c44.727,44.727) 44.727,45.727 31.48,45.727 ccw(c31.48,44.727) 30.48,44.727 30.48,31.48
Mechanical 1:
  lines w0.127: 64.699,50.056 ccw(c62.903,48.26) 62.903,50.8 2.54,50.8 ccw(c2.54,48.26) 0,48.26 0,2.54 ccw(c2.54,2.54) 2.54,0 86.36,0 ccw(c86.36,2.54) 88.9,2.54 88.9,24.778 ccw(c86.36,24.778) 88.156,26.574 ; 64.706,50.051 72.186,42.571 ; 80.673,34.059 88.157,26.575

## Text inside footprints (layer, text, board x,y; h text height)
J1: Top Courtyard "Card edge" at 83.185,49.53 h1.57 r315; Mechanical 4 "SEE DETAIL A" at 66.359,63 h1.91 r315; Mechanical 4 "0.025in [0.625mm]" at 89.138,86.082 h2.29 r315; Mechanical 4 "DETAIL A" at 126.832,88.656 h3.81 r315; Mechanical 4 "o" at 134.18,65.14 h1.22 r315; Mechanical 4 "45" at 129.466,66.262 h2.29 r315; Mechanical 4 "0.030in [0.75mm]" at 106.626,41.51 h2.29 r315